# Altium PCB RUMBA32.PcbDoc (part 1 of 3) (continued)
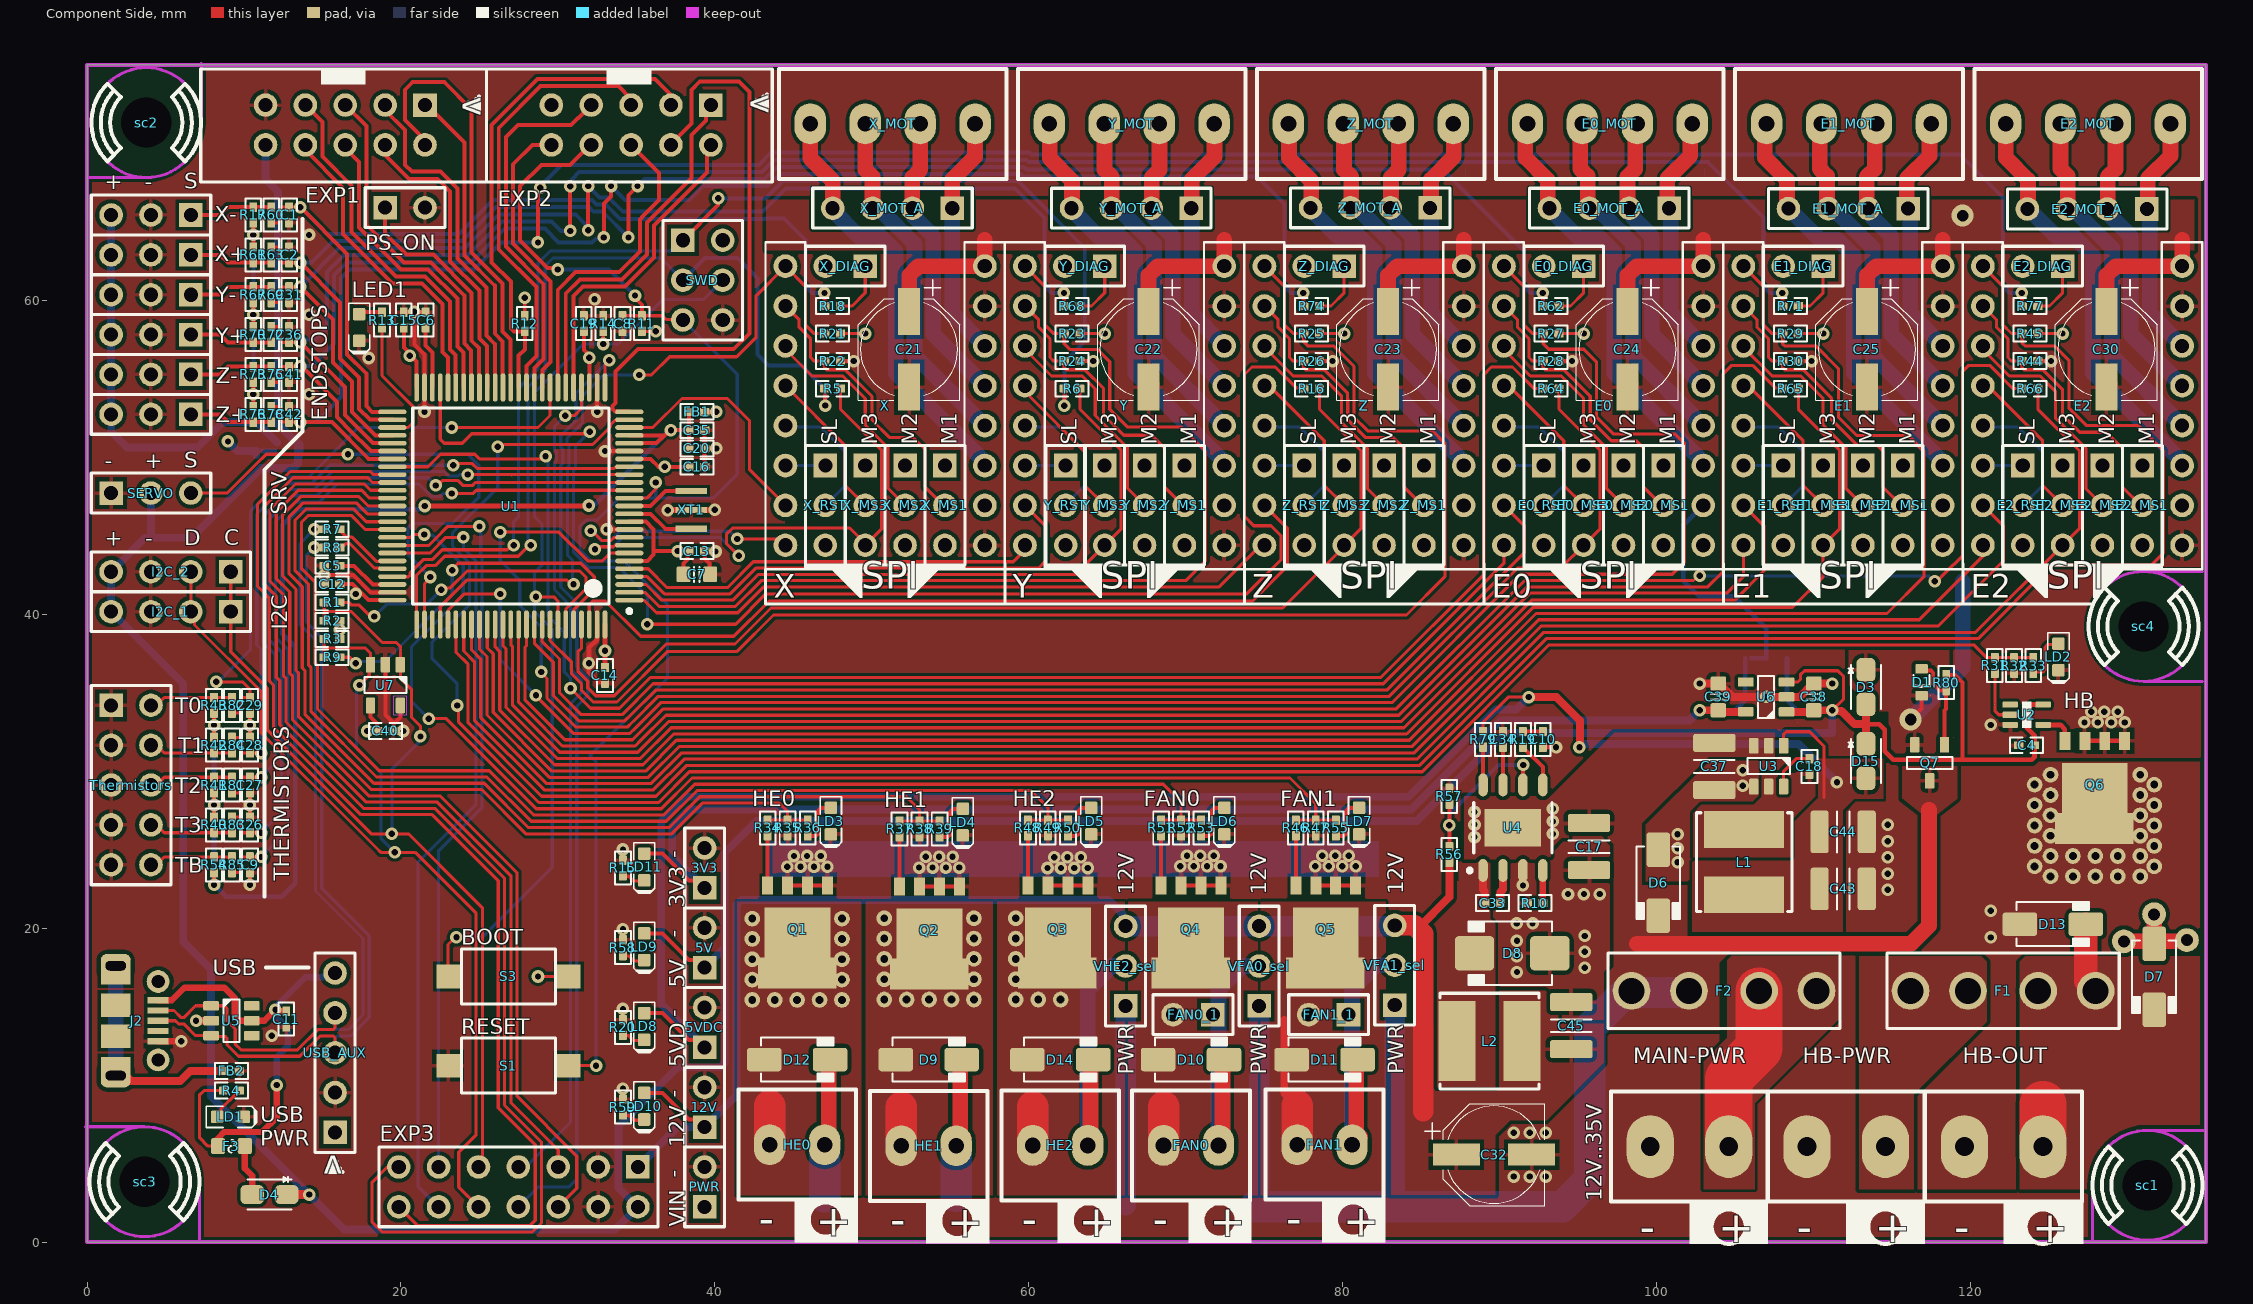
[diagram p0: Component Side view]
## Footprints (in the part's own frame and the unit in brackets; to place one, negate y for a bottom-side part, rotate by r counter-clockwise, add the part's x,y. Pads: shape width x height; smd on the part's side, far side on the other; paste and mask are expansions set on the pad) (continued)
"TERM2 5MM" [mm]
  oval 3x4 hole 1.2: 1(0,0) 2(5,0)
  silkscreen extent -2.5,-3.5 7.5,3.5, body extent -2.54,-4.9 7.47,5, height 14.6
"TERM4 3.5MM" [mm]
  oval 2x2.6 hole 1: 1(0,0) 2(3.5,0) 3(7,0) 4(10.5,0)
  silkscreen extent -2,-3.5 12.5,3.5, body extent -1.73,-3.81 12.24,3.48, height 8.51
TSOT23-6 [mm] "SOT-23-6 Thin, 6 lead"
  round 0.5 on Mech15: 0(0,0)
  rrect25% 1x0.6 smd: 1(-1.3,0.95) 2(-1.3,0) 3(-1.3,-0.95) 4(1.3,-0.95) 5(1.3,0) 6(1.3,0.95)
  silkscreen extent -0.51,-1.35 0.51,1.35, body extent -1.4,-1.45 1.4,1.45, height 1

## Part data
3V3 5V 5VDC 12V FAN0_1 FAN1_1 PS_ON PWR: "Header, 2-Pin", Manufacturer 1="Generic Header", LatestRevisionDate=17-Jul-2002, LatestRevisionNote="Re-released for DXP Platform.", Note="Approved sub OK", Publisher="Altium Limited"
C1 C2 C31 C36 C41 C42: library part UMK105B7222KV-F, "CAP CER 2.2NF 50V X7R 0402", Manufacturer 1="Taiyo Yuden", Operating Temperature="-55°C ~ 125°C", Package=0402, Package / Case="0402 (1005 Metric)", Supplier Part Number 1=587-1221-1-ND, Temperature Coefficient=X7R, TOLERANCE=±10%, Voltage=50V, Manufacturer Part Number 1=UMK105B7222KV-F, Note="Approved sub OK", Revision="July-2002: Re-released for DXP Platform.", Size / Dimension="0.039\" L x 0.020\" W (1.00mm x 0.50mm)", Supplier 1=Digi-Key, Thickness (Max)="0.022\" (0.55mm)", Type=X5R
C4 C9 C26 C27 C28 C29: library part EMK105BJ105KV-F, "CAP CER 1UF 16V X5R 0402", Manufacturer 1="Taiyo Yuden", Operating Temperature="-55°C ~ 85°C", Package=0402, Package / Case="0402 (1005 Metric)", Supplier Part Number 1=587-2477-1-ND, Temperature Coefficient=X5R, TOLERANCE=±10%, Voltage=16V, Manufacturer Part Number 1=EMK105BJ105KV-F, Note="Approved sub OK", Revision="July-2002: Re-released for DXP Platform.", Size / Dimension="0.039\" L x 0.020\" W (1.00mm x 0.50mm)", Supplier 1=Digi-Key, Thickness (Max)="0.022\" (0.55mm)", Type=X5R
C5 C6 C12 C35: library part LMK105BBJ475MVLF, "CAP CER 4.7UF 10V X5R 0402", Manufacturer 1="Taiyo Yuden", Operating Temperature="-55°C ~ 85°C", Package=0402, Package / Case="0402 (1005 Metric)", Supplier Part Number 1=587-3408-1-ND, Temperature Coefficient=X5R, TOLERANCE=±20%, Voltage=10V, Manufacturer Part Number 1=LMK105BBJ475MVLF, Note="Approved sub OK", Revision="July-2002: Re-released for DXP Platform.", Size / Dimension="0.039\" L x 0.020\" W (1.00mm x 0.50mm)", Supplier 1=Digi-Key, Thickness (Max)="0.022\" (0.55mm)", Type=X5R
C7 C38 C39: library part LMK107BBJ106KALT, "CAP CER 10UF 10V X5R 0603", Manufacturer 1="Taiyo Yuden", Operating Temperature="-55°C ~ 85°C", Package=0402, Package / Case="0603 (1608 Metric)", Supplier Part Number 1=587-6017-1-ND, Temperature Coefficient=X5R, TOLERANCE=±10%, Voltage=10V, Manufacturer Part Number 1=LMK107BBJ106KALT, Note="Approved sub OK", Revision="July-2002: Re-released for DXP Platform.", Size / Dimension="0.063\" L x 0.031\" W (1.60mm x 0.80mm)", Supplier 1=Digi-Key, Thickness (Max)="0.039\" (1.00mm)", Type=X5R
C8 C10 C11 C13 C14 C15 C16 C18 C19 C20 C33 C34 C40: library part UMK105B7104KV-FR, "CAP CER 0.1UF 50V X7R 0402", Manufacturer 1="Taiyo Yuden", Operating Temperature="-55°C ~ 125°C", Package=0402, Package / Case="0402 (1005 Metric)", Supplier Part Number 1=587-3498-1-ND, Temperature Coefficient=X7R, TOLERANCE=±10%, Voltage=50V, Manufacturer Part Number 1=UMK105B7104KV-FR, Note="Approved sub OK", Revision="July-2002: Re-released for DXP Platform.", Size / Dimension="0.039\" L x 0.020\" W (1.00mm x 0.50mm)", Supplier 1=Digi-Key, Thickness (Max)="0.022\" (0.55mm)", Type=X5R
C17 C37 C45: library part GMJ325KB7106KMHP, "CAP CER 10UF 35V X7R 1210", Manufacturer 1="Taiyo Yuden", Operating Temperature="-55°C ~ 125°C", Package=0402, Package / Case="1210 (3225 Metric)", Supplier Part Number 1=587-4890-1-ND, Temperature Coefficient=X7R, TOLERANCE=±10%, Voltage=35V, Manufacturer Part Number 1=GMJ325KB7106KMHP, Note="Approved sub OK", Revision="July-2002: Re-released for DXP Platform.", Size / Dimension="0.126\" L x 0.098\" W (3.20mm x 2.50mm)", Supplier 1=Digi-Key, Thickness (Max)="0.110\" (2.80mm)", Type=X5R
C21 C22 C23 C24 C25 C30 C32: library part CapE-6.3-100uF-35V, "CAP ALUM 100UF 20% 35V SMD", Supplier Part Number 1=PCE5016CT-ND, Voltage=35V, Note="Approved sub OK", Published=8-Jun-2000, Publisher="Altium Limited", Revision="July-2002: Re-released for DXP Platform.", Supplier 1=Digi-Key
C43 C44: library part EMJ325KB7226KMHP, "CAP CER 22UF 16V X7R 1210", Manufacturer 1="Taiyo Yuden", Operating Temperature="-55°C ~ 125°C", Package=0402, Package / Case="1210 (3225 Metric)", Supplier Part Number 1=587-5657-1-ND, Temperature Coefficient=X7R, TOLERANCE=±10%, Voltage=16V, Manufacturer Part Number 1=EMJ325KB7226KMHP, Note="Approved sub OK", Revision="July-2002: Re-released for DXP Platform.", Size / Dimension="0.126\" L x 0.098\" W (3.20mm x 2.50mm)", Supplier 1=Digi-Key, Thickness (Max)="0.110\" (2.80mm)", Type=X5R
D1: library part "Diode Zener 10V", "DIODE ZENER 10V 500mW SOD523", Supplier Part Number 1=MM5Z10VT1GOSCT-ND, Voltage=10V, Code - JEDEC=DO-214-AB, Note="Approved sub OK", Published=8-Jun-2000, Publisher="Altium Limited", Revision="July-2002: Re-released for DXP Platform.", Supplier 1=Digi-Key
D3 D4 D15: library part "Diode Schottky 2A 40V (SS24FL)", "DIODE SCHOTTKY 40V 2A SOD123F", Supplier Part Number 1=SS24FLCT-ND, Code - JEDEC=DO-214-AB, Note="Approved sub OK", Published=8-Jun-2000, Publisher="Altium Limited", Revision="July-2002: Re-released for DXP Platform.", Supplier 1=Digi-Key
D6 D7 D9 D10 D11 D12 D13 D14: library part DIODE_100V_1.5A_SMA, "DIODE GEN PURP 100V 1.5A SMA", Manufacturer 1="Diodes Inc", Manufacturer Part Number 1=S2BA-13-F, Package / Case="DO-214AC, SMA", Ratings="100V; 1.5A", Supplier Part Number 1=S2BA-FDICT-ND, Diode Type=Standard, Material=Si, Note="Approved sub OK", SCDType=source, Supplier 1=Digi-Key
D8: library part "Diode Schottky - 40V 4A - SSB44-E3", "DIODE SCHOTTKY 40V 4A DO214AA", Supplier Part Number 1=SSB44-E3/52TGICT-ND, Code - JEDEC=DO-214-AA, Note="Approved sub OK", Published=8-Jun-2000, Publisher="Altium Limited", Revision="July-2002: Re-released for DXP Platform.", Supplier 1=Digi-Key
E0 E1 E2 X Y Z: library part STEPSTICK_BREAKOUT, "Header, 8-Pin, Female", Manufacturer 1="Generic Header", Note="Approved sub OK"
E0_DIAG E1_DIAG E2_DIAG X_DIAG Y_DIAG Z_DIAG: library part "Header 1X2 Female", "Header, 2-Pin, Female", Manufacturer 1="Generic Header", Note="Approved sub OK"
E0_MOT E1_MOT E2_MOT X_MOT Y_MOT Z_MOT: library part ScrewTerminal-3.5mm-4Way, "TERM BLK 4POS SIDE ENT 3.5MM PCB", Supplier Part Number 1=277-5744-ND, LatestRevisionDate=17-Jul-2002, LatestRevisionNote="Re-released for DXP Platform.", Note="Approved sub OK", Publisher="Altium Limited", Supplier 1=Digi-Key
E0_MOT_A E1_MOT_A E2_MOT_A X_MOT_A Y_MOT_A Z_MOT_A: library part "Header 4_1", "Header, 4-Pin", Manufacturer 1="Generic Header", LatestRevisionDate=17-Jul-2002, LatestRevisionNote="Re-released for DXP Platform.", Note="Approved sub OK", Publisher="Altium Limited"
E0_MS1 E0_MS2 E0_MS3 E0_RST E1_MS1 E1_MS2 E1_MS3 E1_RST E2_MS1 E2_MS2 E2_MS3 E2_RST SERVO VFA0_sel VFA1_sel VHE2_sel X+ X- X_MS1 X_MS2 X_MS3 X_RST Y+ Y- Y_MS1 Y_MS2 Y_MS3 Y_RST Z+ Z- Z_MS1 Z_MS2 Z_MS3 Z_RST: "Header, 3-Pin", Manufacturer 1="Generic Header", LatestRevisionDate=17-Jul-2002, LatestRevisionNote="Re-released for DXP Platform.", Note="Approved sub OK", Publisher="Altium Limited"
EXP1 EXP2 Thermistors: "Header, 5-Pin, Dual row", Manufacturer 1="Generic Header", LatestRevisionDate=17-Jul-2002, LatestRevisionNote="Re-released for DXP Platform.", Note="Approved sub OK", Publisher="Altium Limited"
EXP3: "Header, 7-Pin, Dual row", Manufacturer 1="Generic Header", LatestRevisionDate=17-Jul-2002, LatestRevisionNote="Re-released for DXP Platform.", Note="Approved sub OK", Publisher="Altium Limited"
F1 F2: library part "Fuseholder - Mini ATC ATO 15A", "FUSE HOLDER BLADE PCB", Supplier Part Number 1=BK-6013-ND, Note="Approved sub OK", Supplier 1=Digi-Key
F3: library part "Fuse - 15V 200mA Trip PTC SMD 0603", "PTC RESET FUSE 9V 200MA 0603", Manufacturer 1="Holly Fuse", Manufacturer Part Number 1=06T-0160L, Package / Case="0603 (1608 metric)", Ratings="160mA; 63VDC; slow-blow", Supplier Part Number 1=507-1821-1-ND, Note="Approved sub OK", SCDType=spec, Supplier 1=Digi-Key
FAN0 FAN1 HE0 HE1 HE2: library part ScrewTerminal-3.5mm-2Way, "TERM BLK 2POS SIDE ENT 3.5MM PCB", Supplier Part Number 1=277-5719-ND, Note="Approved sub OK", Supplier 1=Digi-Key
FB1 FB2: library part "Ferrite Bead SMD 0402 - 120R", "FERRITE BEAD 120R 300MA 0402", Supplier Part Number 1=587-1836-1-ND, Note="Approved sub OK", Published=24-Mar-1999, Publisher="Altium Limited", Revision="July-2002: Re-released for DXP Platform.", Supplier 1=Digi-Key
HB-OUT HB-PWR MAIN-PWR: library part ScrewTerminal-5mm-2Way, "TERM BLK 2POS SIDE ENTRY 5MM PCB", Supplier Part Number 1=277-6405-ND, Supplier 1=Digi-Key
I2C_1 I2C_2: "Header, 4-Pin", Manufacturer 1="Generic Header", LatestRevisionDate=17-Jul-2002, LatestRevisionNote="Re-released for DXP Platform.", Note="Approved sub OK", Publisher="Altium Limited"
J1 J3: library part JUMP_3WAY, "SMD jumper"
J2: library part "Micro-USB B Socket", "CONN RCPT USB2.0 MICRO B SMD R/A", Supplier Part Number 1=WM1399CT-ND, Note="Approved sub OK", Supplier 1=Digi-Key
L1 L2: library part "Inductor SMD 33uH 2.5A", "FIXED IND 4.7UH 4.5A 26 MOHM SMD", Supplier Part Number 1=SRN6045TA-4R7MCT-ND, Note="Approved sub OK", Published=24-Mar-1999, Publisher="Altium Limited", Revision="July-2002: Re-released for DXP Platform.", Supplier 1=Digi-Key
LD1 LD2 LD3 LD4 LD5 LD6 LD7 LD8 LD9 LD10 LD11: library part "LEDG  0603", "LED GREEN CLEAR CHIP SMD 0603", Supplier Part Number 1=160-1435-2-ND, Note="Approved sub OK", Supplier 1=Digi-Key
LED1: library part "LEDY  0603", "LED YELLOW CLEAR CHIP SMD 0603", Supplier Part Number 1=160-1437-1-ND, Note="Approved sub OK", Supplier 1=Digi-Key
Q1 Q2 Q3 Q4 Q5: library part "MOSFET - BUK9Y21-40E", "MOSFET N-CH 40V 56A LFPAK", Supplier Part Number 1=1727-4940-1-ND, Supplier 1=Digi-Key
Q6: library part "MOSFET - PSMN1R8-40YLC", "MOSFET N-CH 40V 100A LFPAK", Supplier Part Number 1=1727-1052-1-ND, Supplier 1=Digi-Key
Q7: library part "MOSFET - Si2371EDS", "MOSFET SMD P-CH 30V 4.8A SOT-23-3", Supplier Part Number 1=SI2371EDS-T1-GE3CT-ND, FET Type="MOSFET P-Channel, Metal Oxide", Supplier 1=Digi-Key
R1 R7 R8 R9 R31 R34 R37 R46 R48 R51: library part RC0402FR-0722RL, "RES SMD 22 OHM 1% 1/16W 0402", Manufacturer 1=Yageo, Operating Temperature="-55°C ~ 155°C", Package / Case="0402 (1005 Metric)", Supplier Part Number 1=311-22.0LRCT-ND, Temperature Coefficient=±100ppm/°C, TOLERANCE=±1%, Height - Seated (Max)="0.016\" (0.40mm)", Manufacturer Part Number 1=RC0402FR-0722RL, Note="Approved sub OK", Published=8-Jun-2000, Publisher="Altium Limited", Revision="July-2002: Re-released for DXP Platform.", Size / Dimension="0.039\" L x 0.020\" W (1.00mm x 0.50mm)", Supplier 1=Digi-Key
R2 R3: library part RC0402FR-072K2L, "RES SMD 2.2K OHM 1% 1/16W 0402", Manufacturer 1=Yageo, Operating Temperature="-55°C ~ 155°C", Package / Case="0402 (1005 Metric)", Supplier Part Number 1=311-2.20KLRCT-ND, Temperature Coefficient=±100ppm/°C, TOLERANCE=±1%, Height - Seated (Max)="0.016\" (0.40mm)", Manufacturer Part Number 1=RC0402FR-072K2L, Note="Approved sub OK", Published=8-Jun-2000, Publisher="Altium Limited", Revision="July-2002: Re-released for DXP Platform.", Size / Dimension="0.039\" L x 0.020\" W (1.00mm x 0.50mm)", Supplier 1=Digi-Key
R4 R5 R6 R13 R15 R16 R18 R20 R33 R36 R39 R50 R53 R55 R58 R62 R64 R65 R66 R68 R71 R74 R77: library part RC0402FR-071KL, "RES SMD 1K OHM 1% 1/16W 0402", Manufacturer 1=Yageo, Operating Temperature="-55°C ~ 155°C", Package / Case="0402 (1005 Metric)", Supplier Part Number 1=311-1.00KLRCT-ND, Temperature Coefficient=±100ppm/°C, TOLERANCE=±1%, Height - Seated (Max)="0.016\" (0.40mm)", Manufacturer Part Number 1=RC0402FR-071KL, Note="Approved sub OK", Published=8-Jun-2000, Publisher="Altium Limited", Revision="July-2002: Re-released for DXP Platform.", Size / Dimension="0.039\" L x 0.020\" W (1.00mm x 0.50mm)", Supplier 1=Digi-Key
R10 R12 R22 R24 R26 R28 R30 R32 R35 R38 R44 R47 R49 R52: library part RC0402FR-07100KL, "RES SMD 100K OHM 1% 1/16W 0402", Manufacturer 1=Yageo, Operating Temperature="-55°C ~ 155°C", Package / Case="0402 (1005 Metric)", Supplier Part Number 1=311-100KLRCT-ND, Temperature Coefficient=±100ppm/°C, TOLERANCE=±1%, Height - Seated (Max)="0.016\" (0.40mm)", Manufacturer Part Number 1=RC0402FR-07100KL, Note="Approved sub OK", Published=8-Jun-2000, Publisher="Altium Limited", Revision="July-2002: Re-released for DXP Platform.", Size / Dimension="0.039\" L x 0.020\" W (1.00mm x 0.50mm)", Supplier 1=Digi-Key
R11 R14 R21 R23 R25 R27 R29 R45 R57 R60 R63 R69 R72 R75 R78 R79 R80 R81 R82 R83 R84 R85: library part RC0402FR-0710KL, "RES SMD 10K OHM 1% 1/16W 0402", Manufacturer 1=Yageo, Operating Temperature="-55°C ~ 155°C", Package / Case="0402 (1005 Metric)", Supplier Part Number 1=311-10.0KLRCT-ND, Temperature Coefficient=±100ppm/°C, TOLERANCE=±1%, Height - Seated (Max)="0.016\" (0.40mm)", Manufacturer Part Number 1=RC0402FR-0710KL, Note="Approved sub OK", Published=8-Jun-2000, Publisher="Altium Limited", Revision="July-2002: Re-released for DXP Platform.", Size / Dimension="0.039\" L x 0.020\" W (1.00mm x 0.50mm)", Supplier 1=Digi-Key
R17 R40 R41 R42 R43 R54 R59 R61 R67 R70 R73 R76: library part RC0402FR-074K7L, "RES SMD 4.7K OHM 1% 1/16W 0402", Manufacturer 1=Yageo, Operating Temperature="-55°C ~ 155°C", Package / Case="0402 (1005 Metric)", Supplier Part Number 1=311-4.7KLRCT-ND, Temperature Coefficient=±100ppm/°C, TOLERANCE=±1%, Height - Seated (Max)="0.016\" (0.40mm)", Manufacturer Part Number 1=RC0402FR-074K7L, Note="Approved sub OK", Published=8-Jun-2000, Publisher="Altium Limited", Revision="July-2002: Re-released for DXP Platform.", Size / Dimension="0.039\" L x 0.020\" W (1.00mm x 0.50mm)", Supplier 1=Digi-Key
R19: library part RC0402FR-0754K9L, "RES SMD 54.9K OHM 1% 1/16W 0402", Manufacturer 1=Yageo, Operating Temperature="-55°C ~ 155°C", Package / Case="0402 (1005 Metric)", Supplier Part Number 1=YAG3185CT-ND, Temperature Coefficient=±100ppm/°C, TOLERANCE=±1%, Height - Seated (Max)="0.016\" (0.40mm)", Manufacturer Part Number 1=RC0402FR-0754K9L, Note="Approved sub OK", Published=8-Jun-2000, Publisher="Altium Limited", Revision="July-2002: Re-released for DXP Platform.", Size / Dimension="0.039\" L x 0.020\" W (1.00mm x 0.50mm)", Supplier 1=Digi-Key
R56: library part RC0402FR-07140KL, "RES SMD 140K OHM 1% 1/16W 0402", Manufacturer 1=Yageo, Operating Temperature="-55°C ~ 155°C", Package / Case="0402 (1005 Metric)", Supplier Part Number 1=YAG2978CT-ND, Temperature Coefficient=±100ppm/°C, TOLERANCE=±1%, Height - Seated (Max)="0.016\" (0.40mm)", Manufacturer Part Number 1=RC0402FR-07140KL, Note="Approved sub OK", Published=8-Jun-2000, Publisher="Altium Limited", Revision="July-2002: Re-released for DXP Platform.", Size / Dimension="0.039\" L x 0.020\" W (1.00mm x 0.50mm)", Supplier 1=Digi-Key
S1 S3: library part SW-PB, "SWITCH TACTILE SPST-NO 0.05A 12V", Supplier Part Number 1=679-2396-1-ND, Note="Approved sub OK", Supplier 1=Digi-Key
SWD: "Header, 3-Pin, Dual row", Manufacturer 1="Generic Header", LatestRevisionDate=17-Jul-2002, LatestRevisionNote="Re-released for DXP Platform.", Note="Approved sub OK", Publisher="Altium Limited"
U1: library part STM32F446VET6_Big, "IC MCU 32BIT 512KB FLASH 100LQFP", I/Os (High Current)=82, Manufacturer=STMicroelectronics, Operating Frequency(F) (Processor speed) (MHz)=168, PartNumber=STM32F407VGT7, Supplier Part Number 1=497-15375-ND, Supply Voltage(Vcc) max (V)=3.6, Supply Voltage(Vcc) min (V)=1.8, ComponentLink1Description="Manufacturer URL", ComponentLink1URL=http://www.st.com/web/en/home.html, ComponentLink2Description=Datasheet, ComponentLink2URL=http://www.st.com/st-web-ui/static/active/en/resource/technical/document/datasheet/DM00037051.pdf, ComponentLink3Description="Package Specification", ComponentLink3URL=http://www.st.com/st-web-ui/static/active/en/resource/technical/document/data_brief/DM00071938.pdf, Core="ARM Cortex-M4", D/A Converter=2x12-bit, DatasheetVersion="Rev. 4", FLASH Size (Prog) (kB)=1024, Internal RAM Size (kB)=192, Mounting Technology="Surface Mount", PackageDescription="100-Pin Low Profile Quad Flat Package, 14 x 14 mm Body, 0.5 mm Pitch", PackageReference=LQFP100, PackageVersion="Rev. 1, 06/2013", Packing=Tray, Supplier 1=Digi-Key
U2: library part "Buffer Non-Inverting Schmitt Trigger 74LVC1G17SE-7", "IC BUF NON-INVERT 5.5V SOT353", Supplier Part Number 1=74LVC1G17SE-7CT-ND, Supplier 1=Digi-Key
U3: library part "Regulator - AP63205 Buck Regulator", "IC REG BUCK 5V 2A SOT23-6", Supplier Part Number 1=AP63205WU-7DICT-ND, Supplier 1=Digi-Key
U4: library part "Regulator - AOZ1284 4A Buck Regulator", "IC REG BUCK ADJ 4A 8SO", Supplier Part Number 1=785-1689-1-ND, Supplier 1=Digi-Key
U5: library part "USBLC6-4SC6 USB ESD Protection", "DIODE TVS 5.25V 17V SOT23-6", Supplier Part Number 1=497-4492-1-ND, Note="Approved sub OK", Supplier 1=Digi-Key
U6: library part "Regulator - AP2112K 3.3V Linear Regulator", "IC REG LINEAR 3.3V 600MA SOT25", Supplier Part Number 1=AP2112K-3.3TRG1DICT-ND, Supplier 1=Digi-Key
U7: library part "EEPROM - Serial I2C", "IC EEPROM 64K I2C SOT23-5", Supplier Part Number 1=24LC64T-I/OTCT-ND, Supplier 1=Digi-Key
USB_AUX: library part "Header 5x1", "Header, 5-Pin", Manufacturer 1="Generic Header", LatestRevisionDate=17-Jul-2002, LatestRevisionNote="Re-released for DXP Platform.", Note="Approved sub OK", Publisher="Altium Limited"
XT1: library part "Ceramic Resonator CSTCE12M0G55-R0", "CER RES 12.0000MHZ 33PF SMD", Supplier Part Number 1=490-17943-1-ND, Note="Approved sub OK", Supplier 1=Digi-Key
"OS logo" sc1 sc2 sc3 sc4: Note="Approved sub OK"

## Free pads (board coordinates)
  round 1 hole 0.5: 2(42.384,15.425) 2(42.384,16.721) 2(42.384,18.016) 2(42.384,19.312) 2(42.384,20.607) 2(43.812,15.425) 2(45.241,15.425) 2(46.67,15.425) 2(48.099,15.425) 2(48.099,16.721) 2(48.099,18.016) 2(48.099,19.312) 2(48.099,20.607) 2(50.791,15.451) 2(50.791,16.746) 2(50.791,18.042) 2(50.791,19.337) 2(50.791,20.632) 2(52.22,15.451) 2(53.649,15.451) 2(55.077,15.451) 2(56.506,15.451) 2(56.506,16.746) 2(56.506,18.042) 2(56.506,19.337) 2(56.506,20.632) 2(59.173,15.451) 2(59.173,16.746) 2(59.173,18.042) 2(59.173,19.337) 2(59.173,20.632) 2(60.602,15.451) 2(62.031,15.451) 2(124.087,23.934) 2(124.087,25.236) 2(124.087,26.538) 2(124.087,27.84) 2(124.087,29.141) 2(125.103,23.299) 2(125.103,24.595) 2(125.103,25.89) 2(125.103,27.186) 2(125.103,28.481) 2(125.103,29.776) 2(126.531,23.299) 2(126.531,24.595) 2(127.96,23.299) 2(127.96,24.595) 2(129.389,23.299) 2(129.389,24.595) 2(130.818,23.299) 2(130.818,24.595) 2(130.818,25.89) 2(130.818,27.186) 2(130.818,28.481) 2(130.818,29.776) 2(131.707,23.934) 2(131.707,25.236) 2(131.707,26.538) 2(131.707,27.84) 2(131.707,29.141)
  round 1.524 hole 0.762 mask+0.102: 5(133.789,19.235) 6(129.776,19.159) 8(131.707,20.883)

## Via types
v1: diameter 0.8, hole 0.4, Component Side to Solder Side, tented both sides, 234 vias
v2: diameter 1.4, hole 0.75, Component Side to Solder Side, 2 vias

## Nets (pads, with @x,y where several pads share a name; then routed paths per layer and width w, separated by ;. In a path a pad name is that pad's centre, name@x,y a point inside that pad or via, vN(x,y) a via of type N, cw(c..) or ccw(c..) an arc to the next point about the centre after c; other vN are vias at no path point)
5V_DCDC: 5VDC.1 C43.2 C44.2 D15.A L1.2 LD8.1 R79.2 U3.1 | length 112.2
  Component Side w0.2: R79.2@88.945,32.526 88.945,33.112 90.555,34.722 v1(91.86,34.722) ; U3.1@108.094,31.619 108.094,32.356 108.25,32.512 109.757,32.512 110.662,31.606 110.662,28.335
  Component Side w0.254: LD8.1@35.752,14.585 36.665,14.585 38.366,12.884 5VDC.1@38.867,12.884
  Component Side w0.5: v1(91.86,34.722) 93.618,34.722 95.115,33.225 95.115,31.555 v1(95.086,31.526)
  Solder Side w0.5: 5VDC.1@39.348,12.403 36.581,15.171 36.581,26.806 38.143,28.368 84.2,28.368 86.6,30.768 ; 86.601,30.768 89.759,33.925 91.064,33.925 v1(91.86,34.722) ; v1(95.086,31.526) 95.167,31.526 95.377,31.736 109.047,31.736 v1(111.492,29.291)
+3V3: 3V3.1 C7.2 C12.2 C13.2 C14.2 C15.2 C16.2 C19.2 C39.2 C40.2 FB1.2 J1.1 J3.1 LD11.1 R2.2 R3.2 R11.2 S3.1 SWD.2 U1.6 U1.11 U1.19 U1.28 U1.50 U1.75 U1.100 U6.5 U7.4 | length 122.3
  Component Side w0.2: v1(28.732,16.919) S3.1@30.7,16.919 ; R11.2@35.35,58.022 36.227,58.022 v1(36.235,58.03)
  Component Side w0.254: R3.2@16.112,38.424 R2.2@16.112,39.589 ; C12.2@16.112,41.92 16.897,41.92 17.921,40.896 U1.75@19.449,40.896 ; U7.4@18.059,34.186 18.059,33.454 18.471,33.043 18.471,32.599 C40.2@18.509,32.56 C40.2@18.466,32.518 ; C15.2@20.182,58.246 20.182,56.983 20.499,56.666 20.499,56.596 20.999,56.096 U1.50@20.999,54.446 ; C19.2@31.651,58.022 31.651,56.83 31.999,56.482 v1(31.999,56.334) U1.28@31.999,54.446 ; U1.6@34.549,43.396 35.699,43.396 36.099,43.796 36.099,44.023 ; U1.11@34.549,45.896 35.599,45.896 36.099,45.396 36.099,44.023 ; U1.19@34.549,49.896 35.899,49.896 36.399,49.396 v1(36.799,49.396) 37.999,49.396 ; LD11.1@35.752,24.745 36.665,24.745 38.366,23.044 38.867,23.044 3V3.1@39.348,22.563 ; C7.2@37.999,42.541 37.999,43.241 38.249,43.491 38.249,43.923 C13.2@38.349,44.023 v1(37.631,44.023) 36.099,44.023 ; FB1.2@39.349,52.896 v1@40.342,52.897
  Component Side w0.3: 32.999,36.906 U1.100@32.999,39.346
  Component Side w0.5: v1(102.755,33.881) C39.2@103.935,33.882 104.035,33.782 U6.5@105.681,33.782
  Solder Side w0.3: v1(102.755,33.881) 105.017,33.881 105.651,34.515 J3.1@105.651,37.196
  Solder Side w0.5: v1(8.973,51.008) 9.581,50.4 J1.1@10.781,50.4 ; J1.1@10.771,50.157 J1.1@10.781,50.146 ; 3V3.1@39.348,22.563 37.281,24.63 37.281,26.516 38.333,27.568 84.391,27.568 90.049,33.225 102.1,33.225 v1(102.755,33.881)
  other v1: 17.859,32.56 32.999,37.665 16.112,39.006 17.113,41.296 40.093,52.896 20.556,56.461
+3V3A: C20.2 C35.2 FB1.1 R40.1 R41.1 R42.1 R43.1 R54.1 U1.21 U1.22 | length 79.7
  Component Side w0.254: v1(8.092,22.766) R54.1@8.091,23.536 ; R40.1@8.091,27.076 v1(8.092,27.846) R41.1@8.091,28.616 ; R42.1@8.091,32.156 v1(8.092,32.926) R43.1@8.092,33.696 ; v1(8.092,22.766) R54.1@8.091,23.536 ; U1.21@34.549,50.896 36.281,50.896 36.781,51.396 ; U1.22@34.549,51.396 36.781,51.396 ; C20.2@38.349,50.563 C35.2@38.349,51.73 ; FB1.1@38.349,52.896 C35.2@38.349,51.73 ; 36.781,51.396 37.114,51.73 v1(37.203,51.73) C35.2@38.349,51.73
  Component Side w0.3: v1(21.507,46.896) 31.944,46.896 v1(31.974,46.927)
  Solder Side w0.3: v1(8.092,32.926) v1(8.092,27.846) v1(8.092,22.766) 8.857,22 12.406,22 13.257,22.851 13.257,37.922 12.457,38.722 12.457,45.702 13.452,46.696 21.172,46.696 21.372,46.896 v1(21.507,46.896) ; v1(31.974,46.927) 32.07,47.022 32.386,47.022 37.093,51.73 v1(37.203,51.73)
+5V: 5V.1 C4.2 C38.2 D3.A D4.K D15.K EXP1.10 EXP3.2 I2C_1.4 I2C_2.4 J1.3 J3.3 LD9.1 R80.2 SERVO.2 U2.5 U6.1 U6.3 | length 259.6
  Component Side w0.2: U6.3@108.281,35.682 109.011,35.682 109.167,35.838 109.167,36.144 109.424,36.4 111.552,36.4 111.916,36.036 111.916,34.601 v1(111.197,33.881)
  Component Side w0.254: LD9.1@35.752,19.665 36.665,19.665 38.366,17.964 5V.1@38.867,17.964 ; R80.2@118.457,36.138 119.019,36.138 119.504,35.653 119.504,30.731 119.495,30.722
  Component Side w0.3: 113.345,32.999 114.194,32.999 114.543,32.651 114.543,31.266 115.087,30.722 119.495,30.722 123.904,30.722 124.08,30.898 C4.2@124.08,31.656 124.08,32.276 123.58,32.776 123.58,33.955 123.871,34.246 U2.5@124.63,34.246
  Component Side w0.5: U6.1@108.281,33.782 109.917,33.782 C38.2@110.017,33.882 ; C38.2@110.017,33.882 v1(111.197,33.881) 111.242,33.836 111.778,33.836 112.615,32.999 113.345,32.999 ; D15.K@113.345,31.741 113.345,32.999 ; D3.A@113.345,34.257 113.345,32.999
  Component Side w0.6: D4.K@12.72,3.026 v1(14.157,3.026)
  Solder Side w0.3: J3.3@108.315,37.196 108.315,34.515 108.949,33.881 v1(111.197,33.881) ; 111.172,32.436 111.197,32.462
  Solder Side w0.5: 4.072,44.87 SERVO.2@4.072,47.722 ; EXP1.10@11.371,69.904 11.371,67.713 12.171,66.913 12.171,52.117 J1.3@13.474,50.814 ; J1.3@13.445,50.146 13.445,49.605 13.152,49.313 11.09,49.313 6.647,44.87 4.072,44.87 3.697,44.87 I2C_2.4@1.532,42.705 I2C_1.4@1.532,40.165 6.132,35.565 6.132,19.148 7.9,17.38 7.9,9.283 v1(14.157,3.026) 16.383,0.8 33.656,0.8 EXP3.2@35.099,2.243 35.05,2.243 33.867,3.426 33.867,3.808 33.849,3.826 33.849,7.343 37.639,11.133 40.341,11.133 40.634,11.426 40.634,18.768 ; 5V.1@39.348,17.483 40.634,18.768 ; 111.172,32.436 90.324,32.436 84.706,26.818 42.654,26.818 40.634,24.797 40.634,18.768 ; 111.197,32.462 v1(111.197,33.881)
  Solder Side w0.6: J1.3@13.445,50.146 13.474,50.175 J1.3@13.474,50.814
+12V: 12V.1 C32.1 C45.2 EXP3.1 L2.2 LD10.1 R56.1 VFA0_sel.3 VFA1_sel.3 VHE2_sel.3 | length 85.6
  Component Side w0.254: LD10.1@35.752,9.505 36.665,9.505 38.366,7.804 12V.1@38.867,7.804
  Component Side w0.4: 84.324,20.45 84.6,20.175
  Component Side w0.5: 84.797,19.978 86.8,21.981 86.8,23.85
  Component Side w1.3: VFA1_sel.3@83.316,20.175 84.6,20.175 84.797,19.978 85.132,19.642 85.132,8.328
  Solder Side w0.5: EXP3.1@35.099,4.783 37.639,7.323 12V.1@39.348,7.323 41.384,9.358 41.384,21.508 41.677,21.801 65.078,21.801 65.979,20.9 65.979,20.316 VHE2_sel.3@66.171,20.124
  Solder Side w1.3: VHE2_sel.3@66.171,20.124 VFA0_sel.3@74.68,20.124 VFA1_sel.3@83.265,20.124